# KiCad board protoboard-6x4-breakout.kicad_pcb (continued)
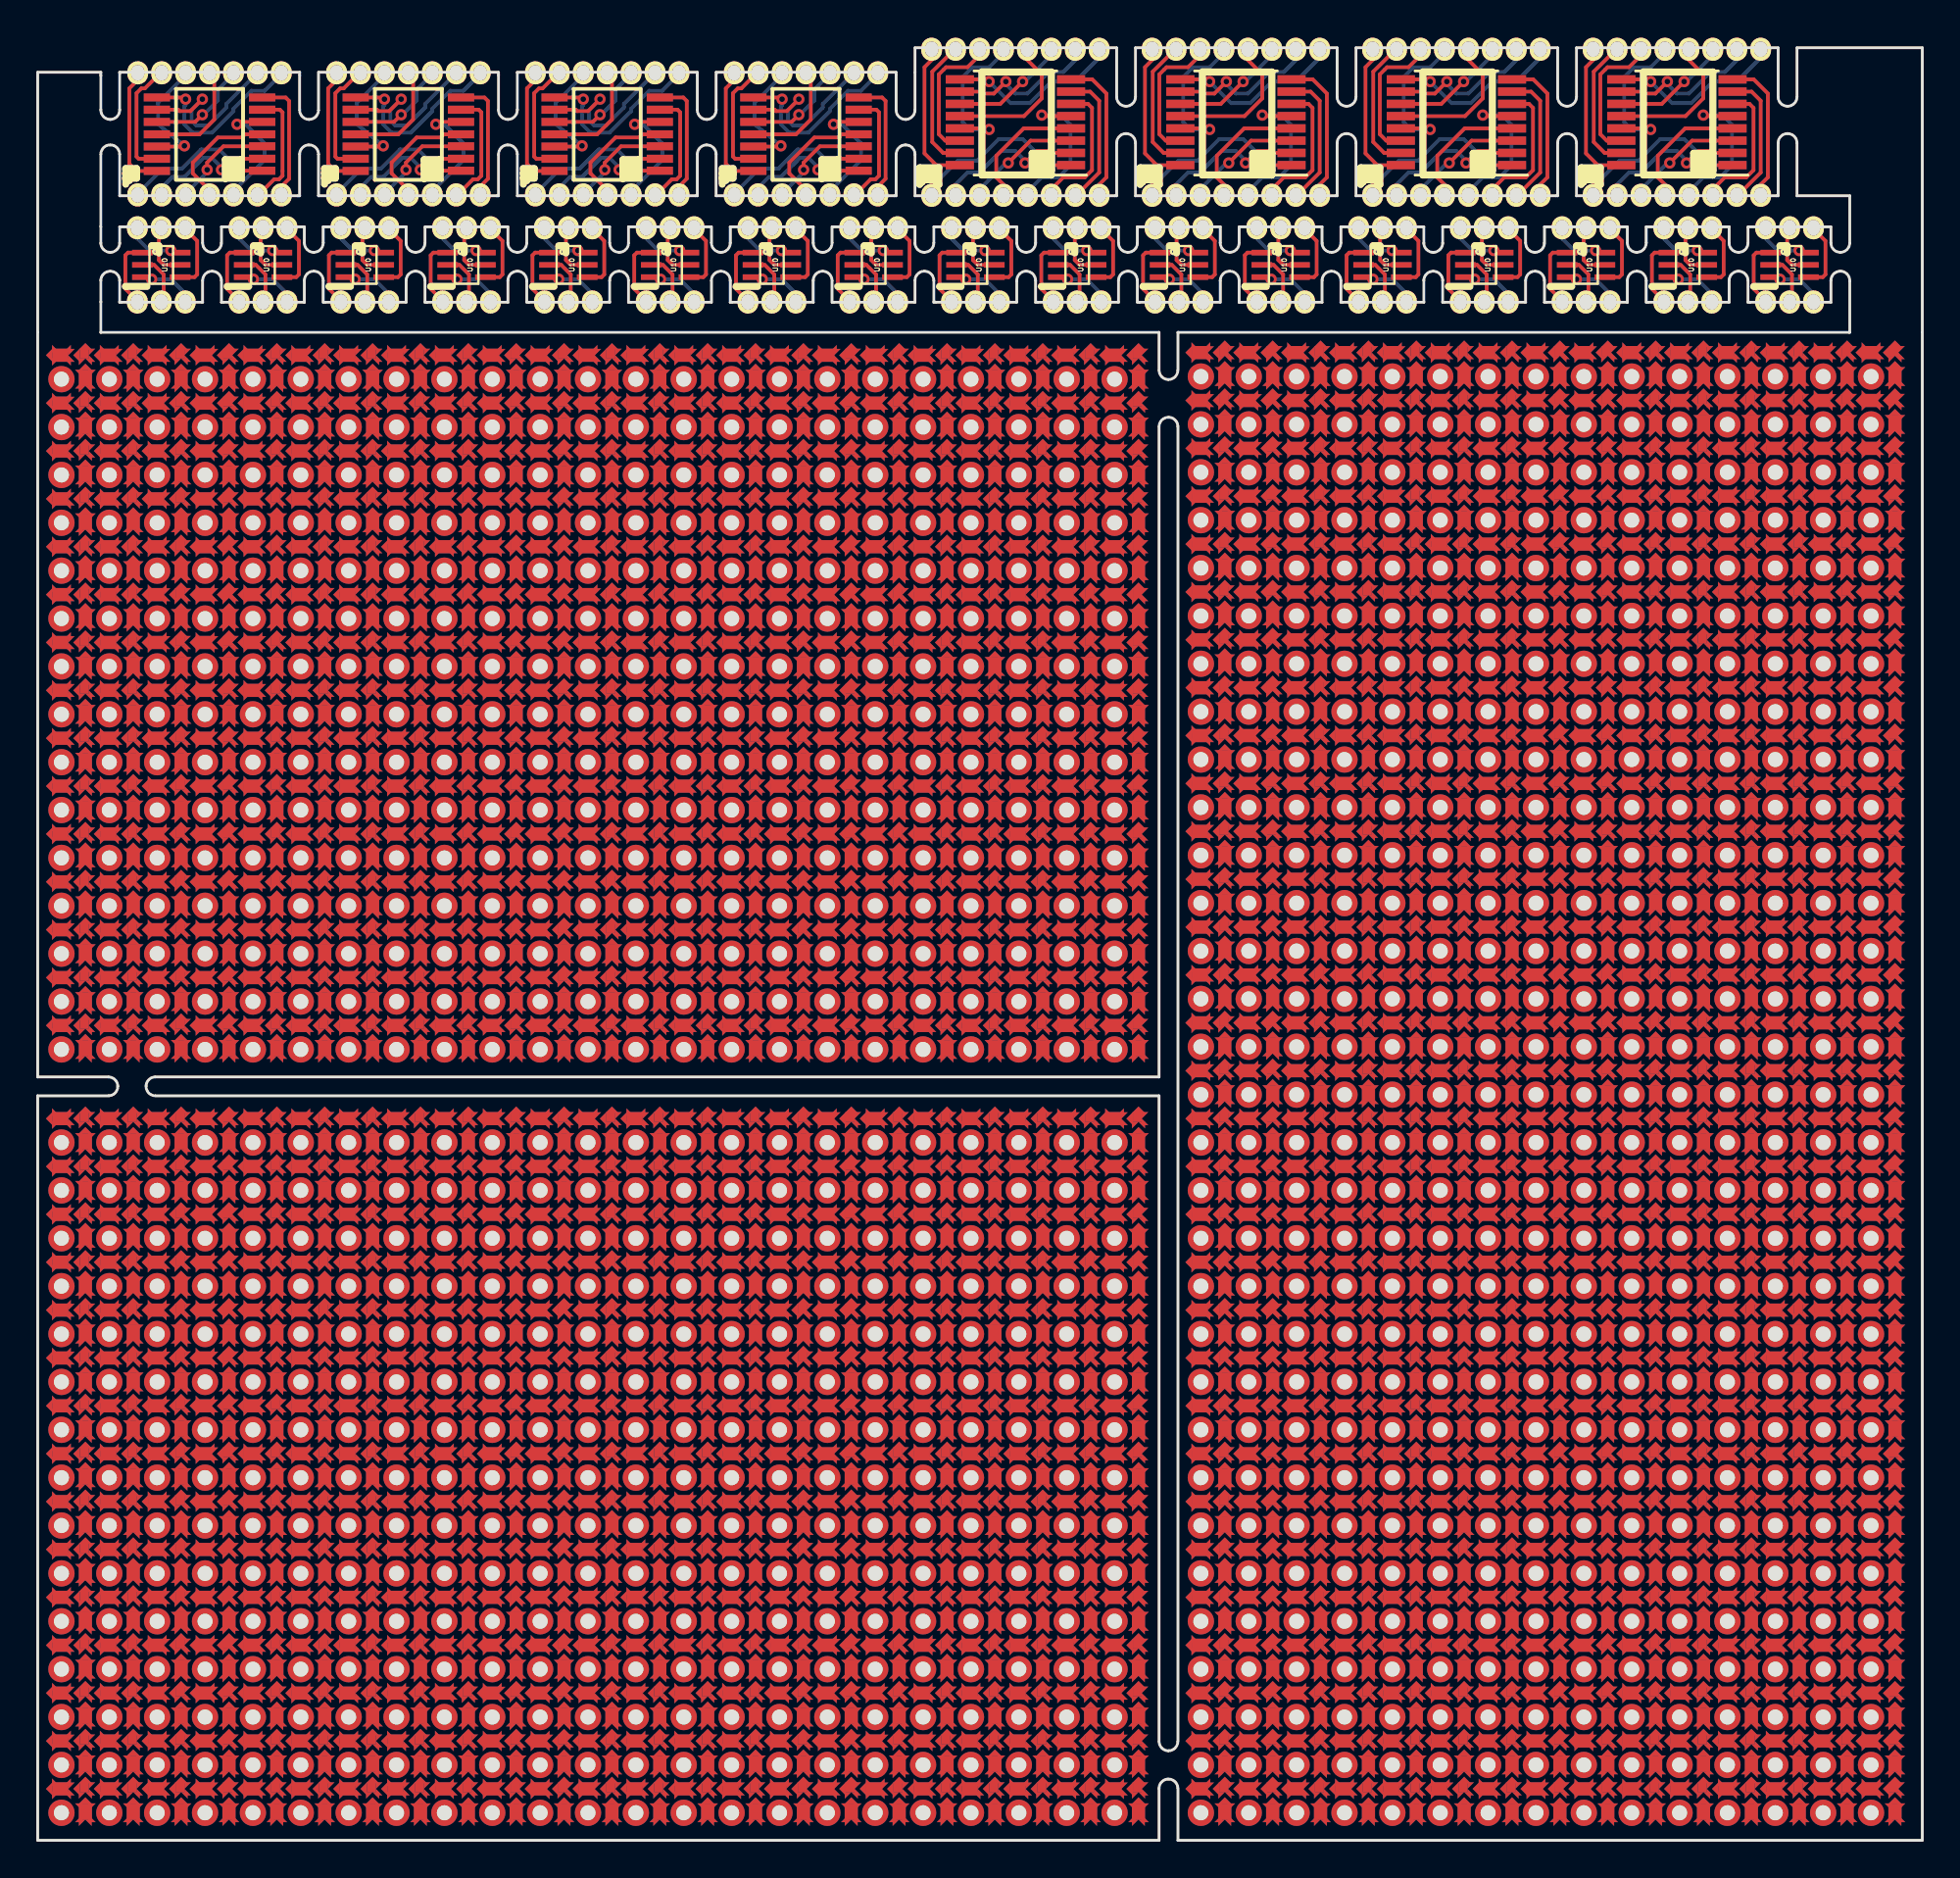
[diagram p0: board, top side]
## Placement (name value [footprint] x y rotation side) (continued)
REF**#780  -  [tht-0.8]  11.42 34.48 0 top
REF**#781  -  [tht-0.8]  8.88 34.48 0 top
REF**#782  -  [tht-0.8]  8.88 31.94 0 top
REF**#783  -  [tht-0.8]  11.42 31.94 0 top
REF**#784  -  [tht-0.8]  13.96 31.94 0 top
REF**#785  -  [tht-0.8]  29.2 31.94 0 top
REF**#786  -  [tht-0.8]  26.66 31.94 0 top
REF**#787  -  [tht-0.8]  24.12 31.94 0 top
REF**#788  -  [tht-0.8]  24.12 34.48 0 top
REF**#789  -  [tht-0.8]  26.66 34.48 0 top
REF**#790  -  [tht-0.8]  29.2 34.48 0 top
REF**#791  pad-between  [pad-between-spiked]  24.12 33.21 90 top
REF**#792  pad-between  [pad-between-spiked]  26.66 33.21 90 top
REF**#793  pad-between  [pad-between-spiked]  25.39 34.48 0 top
REF**#794  pad-between  [pad-between-spiked]  25.39 31.94 0 top
REF**#795  center-pad  [center-pad-spikes]  25.39 33.21 0 top
REF**#796  center-pad  [center-pad-spikes]  27.93 33.21 0 top
REF**#797  pad-between  [pad-between-spiked]  27.93 31.94 0 top
REF**#798  pad-between  [pad-between-spiked]  27.93 34.48 0 top
REF**#799  pad-between  [pad-between-spiked]  29.2 33.21 90 top
REF**#800  pad-between  [pad-between-spiked]  30.47 34.48 0 top
REF**#801  pad-between  [pad-between-spiked]  30.47 31.94 0 top
REF**#802  center-pad  [center-pad-spikes]  30.47 33.21 0 top
REF**#803  center-pad  [center-pad-spikes]  30.47 35.75 0 top
REF**#804  pad-between  [pad-between-spiked]  29.2 35.75 90 top
REF**#805  center-pad  [center-pad-spikes]  27.93 35.75 0 top
REF**#806  center-pad  [center-pad-spikes]  25.39 35.75 0 top
REF**#807  pad-between  [pad-between-spiked]  26.66 35.75 90 top
REF**#808  pad-between  [pad-between-spiked]  24.12 35.75 90 top
REF**#809  pad-between  [pad-between-spiked]  16.5 35.75 90 top
REF**#810  pad-between  [pad-between-spiked]  19.04 35.75 90 top
REF**#811  center-pad  [center-pad-spikes]  17.77 35.75 0 top
REF**#812  center-pad  [center-pad-spikes]  20.31 35.75 0 top
REF**#813  pad-between  [pad-between-spiked]  21.58 35.75 90 top
REF**#814  center-pad  [center-pad-spikes]  22.85 35.75 0 top
REF**#815  center-pad  [center-pad-spikes]  22.85 33.21 0 top
REF**#816  pad-between  [pad-between-spiked]  22.85 31.94 0 top
REF**#817  pad-between  [pad-between-spiked]  22.85 34.48 0 top
REF**#818  pad-between  [pad-between-spiked]  21.58 33.21 90 top
REF**#819  pad-between  [pad-between-spiked]  20.31 34.48 0 top
REF**#820  pad-between  [pad-between-spiked]  20.31 31.94 0 top
REF**#821  center-pad  [center-pad-spikes]  20.31 33.21 0 top
REF**#822  center-pad  [center-pad-spikes]  17.77 33.21 0 top
REF**#823  pad-between  [pad-between-spiked]  17.77 31.94 0 top
REF**#824  pad-between  [pad-between-spiked]  17.77 34.48 0 top
REF**#825  pad-between  [pad-between-spiked]  19.04 33.21 90 top
REF**#826  pad-between  [pad-between-spiked]  16.5 33.21 90 top
REF**#827  -  [tht-0.8]  21.58 34.48 0 top
REF**#828  -  [tht-0.8]  19.04 34.48 0 top
REF**#829  -  [tht-0.8]  16.5 34.48 0 top
REF**#830  -  [tht-0.8]  16.5 31.94 0 top
REF**#831  -  [tht-0.8]  19.04 31.94 0 top
REF**#832  -  [tht-0.8]  21.58 31.94 0 top
REF**#833  -  [tht-0.8]  52.06 31.94 0 top
REF**#834  -  [tht-0.8]  49.52 31.94 0 top
REF**#835  -  [tht-0.8]  46.98 31.94 0 top
REF**#836  -  [tht-0.8]  46.98 34.48 0 top
REF**#837  -  [tht-0.8]  49.52 34.48 0 top
REF**#838  -  [tht-0.8]  52.06 34.48 0 top
REF**#839  pad-between  [pad-between-spiked]  46.98 33.21 90 top
REF**#840  pad-between  [pad-between-spiked]  49.52 33.21 90 top
REF**#841  pad-between  [pad-between-spiked]  48.25 34.48 0 top
REF**#842  pad-between  [pad-between-spiked]  48.25 31.94 0 top
REF**#843  center-pad  [center-pad-spikes]  48.25 33.21 0 top
REF**#844  center-pad  [center-pad-spikes]  50.79 33.21 0 top
REF**#845  pad-between  [pad-between-spiked]  50.79 31.94 0 top
REF**#846  pad-between  [pad-between-spiked]  50.79 34.48 0 top
REF**#847  pad-between  [pad-between-spiked]  52.06 33.21 90 top
REF**#848  pad-between  [pad-between-spiked]  53.33 34.48 0 top
REF**#849  pad-between  [pad-between-spiked]  53.33 31.94 0 top
REF**#850  center-pad  [center-pad-spikes]  53.33 33.21 0 top
REF**#851  center-pad  [center-pad-spikes]  53.33 35.75 0 top
REF**#852  pad-between  [pad-between-spiked]  52.06 35.75 90 top
REF**#853  center-pad  [center-pad-spikes]  50.79 35.75 0 top
REF**#854  center-pad  [center-pad-spikes]  48.25 35.75 0 top
REF**#855  pad-between  [pad-between-spiked]  49.52 35.75 90 top
REF**#856  pad-between  [pad-between-spiked]  46.98 35.75 90 top
REF**#857  pad-between  [pad-between-spiked]  54.6 35.75 90 top
REF**#858  pad-between  [pad-between-spiked]  57.14 35.75 90 top
REF**#859  center-pad  [center-pad-spikes]  55.87 35.75 0 top
REF**#860  center-pad  [center-pad-spikes]  58.41 35.75 0 top
REF**#861  pad-between  [pad-between-spiked]  58.41 34.48 0 top
REF**#862  pad-between  [pad-between-spiked]  58.41 31.94 0 top
REF**#863  center-pad  [center-pad-spikes]  58.41 33.21 0 top
REF**#864  center-pad  [center-pad-spikes]  55.87 33.21 0 top
REF**#865  pad-between  [pad-between-spiked]  55.87 31.94 0 top
REF**#866  pad-between  [pad-between-spiked]  55.87 34.48 0 top
REF**#867  pad-between  [pad-between-spiked]  57.14 33.21 90 top
REF**#868  pad-between  [pad-between-spiked]  54.6 33.21 90 top
REF**#869  -  [tht-0.8]  57.14 34.48 0 top
REF**#870  -  [tht-0.8]  54.6 34.48 0 top
REF**#871  -  [tht-0.8]  54.6 31.94 0 top
REF**#872  -  [tht-0.8]  57.14 31.94 0 top
REF**#873  -  [tht-0.8]  44.44 31.94 0 top
REF**#874  -  [tht-0.8]  41.9 31.94 0 top
REF**#875  -  [tht-0.8]  39.36 31.94 0 top
REF**#876  -  [tht-0.8]  39.36 34.48 0 top
REF**#877  -  [tht-0.8]  41.9 34.48 0 top
REF**#878  -  [tht-0.8]  44.44 34.48 0 top
REF**#879  pad-between  [pad-between-spiked]  39.36 33.21 90 top
REF**#880  pad-between  [pad-between-spiked]  41.9 33.21 90 top
REF**#881  pad-between  [pad-between-spiked]  40.63 34.48 0 top
REF**#882  pad-between  [pad-between-spiked]  40.63 31.94 0 top
REF**#883  center-pad  [center-pad-spikes]  40.63 33.21 0 top
REF**#884  center-pad  [center-pad-spikes]  43.17 33.21 0 top
REF**#885  pad-between  [pad-between-spiked]  43.17 31.94 0 top
REF**#886  pad-between  [pad-between-spiked]  43.17 34.48 0 top
REF**#887  pad-between  [pad-between-spiked]  44.44 33.21 90 top
REF**#888  pad-between  [pad-between-spiked]  45.71 34.48 0 top
REF**#889  pad-between  [pad-between-spiked]  45.71 31.94 0 top
REF**#890  center-pad  [center-pad-spikes]  45.71 33.21 0 top
REF**#891  center-pad  [center-pad-spikes]  45.71 35.75 0 top
REF**#892  pad-between  [pad-between-spiked]  44.44 35.75 90 top
REF**#893  center-pad  [center-pad-spikes]  43.17 35.75 0 top
REF**#894  center-pad  [center-pad-spikes]  40.63 35.75 0 top
REF**#895  pad-between  [pad-between-spiked]  41.9 35.75 90 top
REF**#896  pad-between  [pad-between-spiked]  39.36 35.75 90 top
REF**#897  pad-between  [pad-between-spiked]  31.74 35.75 90 top
REF**#898  pad-between  [pad-between-spiked]  34.28 35.75 90 top
REF**#899  center-pad  [center-pad-spikes]  33.01 35.75 0 top
REF**#900  center-pad  [center-pad-spikes]  35.55 35.75 0 top
REF**#901  pad-between  [pad-between-spiked]  36.82 35.75 90 top
REF**#902  center-pad  [center-pad-spikes]  38.09 35.75 0 top
REF**#903  center-pad  [center-pad-spikes]  38.09 33.21 0 top
REF**#904  pad-between  [pad-between-spiked]  38.09 31.94 0 top
REF**#905  pad-between  [pad-between-spiked]  38.09 34.48 0 top
REF**#906  pad-between  [pad-between-spiked]  36.82 33.21 90 top
REF**#907  pad-between  [pad-between-spiked]  35.55 34.48 0 top
REF**#908  pad-between  [pad-between-spiked]  35.55 31.94 0 top
REF**#909  center-pad  [center-pad-spikes]  35.55 33.21 0 top
REF**#910  center-pad  [center-pad-spikes]  33.01 33.21 0 top
REF**#911  pad-between  [pad-between-spiked]  33.01 31.94 0 top
REF**#912  pad-between  [pad-between-spiked]  33.01 34.48 0 top
REF**#913  pad-between  [pad-between-spiked]  34.28 33.21 90 top
REF**#914  pad-between  [pad-between-spiked]  31.74 33.21 90 top
REF**#915  -  [tht-0.8]  36.82 34.48 0 top
REF**#916  -  [tht-0.8]  34.28 34.48 0 top
REF**#917  -  [tht-0.8]  31.74 34.48 0 top
REF**#918  -  [tht-0.8]  31.74 31.94 0 top
REF**#919  -  [tht-0.8]  34.28 31.94 0 top
REF**#920  -  [tht-0.8]  36.82 31.94 0 top
REF**#921  -  [tht-0.8]  36.82 37.02 0 top
REF**#922  -  [tht-0.8]  34.28 37.02 0 top
REF**#923  -  [tht-0.8]  31.74 37.02 0 top
REF**#924  pad-between  [pad-between-spiked]  31.74 38.29 90 top
REF**#925  pad-between  [pad-between-spiked]  34.28 38.29 90 top
REF**#926  pad-between  [pad-between-spiked]  33.01 37.02 0 top
REF**#927  center-pad  [center-pad-spikes]  33.01 38.29 0 top
REF**#928  center-pad  [center-pad-spikes]  35.55 38.29 0 top
REF**#929  pad-between  [pad-between-spiked]  35.55 37.02 0 top
REF**#930  pad-between  [pad-between-spiked]  36.82 38.29 90 top
REF**#931  pad-between  [pad-between-spiked]  38.09 37.02 0 top
REF**#932  center-pad  [center-pad-spikes]  38.09 38.29 0 top
REF**#933  center-pad  [center-pad-spikes]  45.71 38.29 0 top
REF**#934  pad-between  [pad-between-spiked]  45.71 37.02 0 top
REF**#935  pad-between  [pad-between-spiked]  44.44 38.29 90 top
REF**#936  pad-between  [pad-between-spiked]  43.17 37.02 0 top
REF**#937  center-pad  [center-pad-spikes]  43.17 38.29 0 top
REF**#938  center-pad  [center-pad-spikes]  40.63 38.29 0 top
REF**#939  pad-between  [pad-between-spiked]  40.63 37.02 0 top
REF**#940  pad-between  [pad-between-spiked]  41.9 38.29 90 top
REF**#941  pad-between  [pad-between-spiked]  39.36 38.29 90 top
REF**#942  -  [tht-0.8]  39.36 37.02 0 top
REF**#943  -  [tht-0.8]  41.9 37.02 0 top
REF**#944  -  [tht-0.8]  44.44 37.02 0 top
REF**#945  -  [tht-0.8]  57.14 37.02 0 top
REF**#946  -  [tht-0.8]  54.6 37.02 0 top
REF**#947  pad-between  [pad-between-spiked]  54.6 38.29 90 top
REF**#948  pad-between  [pad-between-spiked]  57.14 38.29 90 top
REF**#949  pad-between  [pad-between-spiked]  55.87 37.02 0 top
REF**#950  center-pad  [center-pad-spikes]  55.87 38.29 0 top
REF**#951  center-pad  [center-pad-spikes]  58.41 38.29 0 top
REF**#952  pad-between  [pad-between-spiked]  58.41 37.02 0 top
REF**#953  center-pad  [center-pad-spikes]  53.33 38.29 0 top
REF**#954  pad-between  [pad-between-spiked]  53.33 37.02 0 top
REF**#955  pad-between  [pad-between-spiked]  52.06 38.29 90 top
REF**#956  pad-between  [pad-between-spiked]  50.79 37.02 0 top
REF**#957  center-pad  [center-pad-spikes]  50.79 38.29 0 top
REF**#958  center-pad  [center-pad-spikes]  48.25 38.29 0 top
REF**#959  pad-between  [pad-between-spiked]  48.25 37.02 0 top
REF**#960  pad-between  [pad-between-spiked]  49.52 38.29 90 top
REF**#961  pad-between  [pad-between-spiked]  46.98 38.29 90 top
REF**#962  -  [tht-0.8]  46.98 37.02 0 top
REF**#963  -  [tht-0.8]  49.52 37.02 0 top
REF**#964  -  [tht-0.8]  52.06 37.02 0 top
REF**#965  -  [tht-0.8]  21.58 37.02 0 top
REF**#966  -  [tht-0.8]  19.04 37.02 0 top
REF**#967  -  [tht-0.8]  16.5 37.02 0 top
REF**#968  pad-between  [pad-between-spiked]  16.5 38.29 90 top
REF**#969  pad-between  [pad-between-spiked]  19.04 38.29 90 top
REF**#970  pad-between  [pad-between-spiked]  17.77 37.02 0 top
REF**#971  center-pad  [center-pad-spikes]  17.77 38.29 0 top
REF**#972  center-pad  [center-pad-spikes]  20.31 38.29 0 top
REF**#973  pad-between  [pad-between-spiked]  20.31 37.02 0 top
REF**#974  pad-between  [pad-between-spiked]  21.58 38.29 90 top
REF**#975  pad-between  [pad-between-spiked]  22.85 37.02 0 top
REF**#976  center-pad  [center-pad-spikes]  22.85 38.29 0 top
REF**#977  center-pad  [center-pad-spikes]  30.47 38.29 0 top
REF**#978  pad-between  [pad-between-spiked]  30.47 37.02 0 top
REF**#979  pad-between  [pad-between-spiked]  29.2 38.29 90 top
REF**#980  pad-between  [pad-between-spiked]  27.93 37.02 0 top
REF**#981  center-pad  [center-pad-spikes]  27.93 38.29 0 top
REF**#982  center-pad  [center-pad-spikes]  25.39 38.29 0 top
REF**#983  pad-between  [pad-between-spiked]  25.39 37.02 0 top
REF**#984  pad-between  [pad-between-spiked]  26.66 38.29 90 top
REF**#985  pad-between  [pad-between-spiked]  24.12 38.29 90 top
REF**#986  -  [tht-0.8]  24.12 37.02 0 top
REF**#987  -  [tht-0.8]  26.66 37.02 0 top
REF**#988  -  [tht-0.8]  29.2 37.02 0 top
REF**#989  -  [tht-0.8]  13.96 37.02 0 top
REF**#990  -  [tht-0.8]  11.42 37.02 0 top
REF**#991  -  [tht-0.8]  8.88 37.02 0 top
REF**#992  pad-between  [pad-between-spiked]  8.88 38.29 90 top
REF**#993  pad-between  [pad-between-spiked]  11.42 38.29 90 top
REF**#994  pad-between  [pad-between-spiked]  10.15 37.02 0 top
REF**#995  center-pad  [center-pad-spikes]  10.15 38.29 0 top
REF**#996  center-pad  [center-pad-spikes]  12.69 38.29 0 top
REF**#997  pad-between  [pad-between-spiked]  12.69 37.02 0 top
REF**#998  pad-between  [pad-between-spiked]  13.96 38.29 90 top
REF**#999  pad-between  [pad-between-spiked]  15.23 37.02 0 top
REF**#1000  center-pad  [center-pad-spikes]  15.23 38.29 0 top
REF**#1001  center-pad  [center-pad-spikes]  7.61 38.29 0 top
REF**#1002  pad-between  [pad-between-spiked]  7.61 37.02 0 top
REF**#1003  pad-between  [pad-between-spiked]  6.34 38.29 90 top
REF**#1004  pad-between  [pad-between-spiked]  5.07 37.02 0 top
REF**#1005  center-pad  [center-pad-spikes]  5.07 38.29 0 top
REF**#1006  center-pad  [center-pad-spikes]  2.53 38.29 0 top
REF**#1007  pad-between  [pad-between-spiked]  2.53 37.02 0 top
REF**#1008  pad-between  [pad-between-spiked]  3.8 38.29 90 top
REF**#1009  pad-between  [pad-between-spiked]  1.26 38.29 90 top
REF**#1010  -  [tht-0.8]  1.26 37.02 0 top
REF**#1011  -  [tht-0.8]  3.8 37.02 0 top
REF**#1012  -  [tht-0.8]  6.34 37.02 0 top
REF**#1013  -  [tht-0.8]  6.34 26.86 0 top
REF**#1014  -  [tht-0.8]  3.8 26.86 0 top
REF**#1015  -  [tht-0.8]  1.26 26.86 0 top
REF**#1016  -  [tht-0.8]  1.26 29.4 0 top
REF**#1017  -  [tht-0.8]  3.8 29.4 0 top
REF**#1018  -  [tht-0.8]  6.34 29.4 0 top
REF**#1019  pad-between  [pad-between-spiked]  1.26 28.13 90 top
REF**#1020  pad-between  [pad-between-spiked]  3.8 28.13 90 top
REF**#1021  pad-between  [pad-between-spiked]  2.53 29.4 0 top
REF**#1022  pad-between  [pad-between-spiked]  2.53 26.86 0 top
REF**#1023  center-pad  [center-pad-spikes]  2.53 28.13 0 top
REF**#1024  center-pad  [center-pad-spikes]  5.07 28.13 0 top
REF**#1025  pad-between  [pad-between-spiked]  5.07 26.86 0 top
REF**#1026  pad-between  [pad-between-spiked]  5.07 29.4 0 top
REF**#1027  pad-between  [pad-between-spiked]  6.34 28.13 90 top
REF**#1028  pad-between  [pad-between-spiked]  7.61 29.4 0 top
REF**#1029  pad-between  [pad-between-spiked]  7.61 26.86 0 top
REF**#1030  center-pad  [center-pad-spikes]  7.61 28.13 0 top
REF**#1031  center-pad  [center-pad-spikes]  7.61 30.67 0 top
REF**#1032  pad-between  [pad-between-spiked]  6.34 30.67 90 top
REF**#1033  center-pad  [center-pad-spikes]  5.07 30.67 0 top
REF**#1034  center-pad  [center-pad-spikes]  2.53 30.67 0 top
REF**#1035  pad-between  [pad-between-spiked]  3.8 30.67 90 top
REF**#1036  pad-between  [pad-between-spiked]  1.26 30.67 90 top
REF**#1037  pad-between  [pad-between-spiked]  8.88 30.67 90 top
REF**#1038  pad-between  [pad-between-spiked]  11.42 30.67 90 top
REF**#1039  center-pad  [center-pad-spikes]  10.15 30.67 0 top
REF**#1040  center-pad  [center-pad-spikes]  12.69 30.67 0 top
REF**#1041  pad-between  [pad-between-spiked]  13.96 30.67 90 top
REF**#1042  center-pad  [center-pad-spikes]  15.23 30.67 0 top
REF**#1043  center-pad  [center-pad-spikes]  15.23 28.13 0 top
REF**#1044  pad-between  [pad-between-spiked]  15.23 26.86 0 top
REF**#1045  pad-between  [pad-between-spiked]  15.23 29.4 0 top
REF**#1046  pad-between  [pad-between-spiked]  13.96 28.13 90 top
REF**#1047  pad-between  [pad-between-spiked]  12.69 29.4 0 top
REF**#1048  pad-between  [pad-between-spiked]  12.69 26.86 0 top
REF**#1049  center-pad  [center-pad-spikes]  12.69 28.13 0 top
REF**#1050  center-pad  [center-pad-spikes]  10.15 28.13 0 top
REF**#1051  pad-between  [pad-between-spiked]  10.15 26.86 0 top
REF**#1052  pad-between  [pad-between-spiked]  10.15 29.4 0 top
REF**#1053  pad-between  [pad-between-spiked]  11.42 28.13 90 top
REF**#1054  pad-between  [pad-between-spiked]  8.88 28.13 90 top
REF**#1055  -  [tht-0.8]  13.96 29.4 0 top
REF**#1056  -  [tht-0.8]  11.42 29.4 0 top
REF**#1057  -  [tht-0.8]  8.88 29.4 0 top
REF**#1058  -  [tht-0.8]  8.88 26.86 0 top
REF**#1059  -  [tht-0.8]  11.42 26.86 0 top
REF**#1060  -  [tht-0.8]  13.96 26.86 0 top
REF**#1061  -  [tht-0.8]  29.2 26.86 0 top
REF**#1062  -  [tht-0.8]  26.66 26.86 0 top
REF**#1063  -  [tht-0.8]  24.12 26.86 0 top
REF**#1064  -  [tht-0.8]  24.12 29.4 0 top
REF**#1065  -  [tht-0.8]  26.66 29.4 0 top
REF**#1066  -  [tht-0.8]  29.2 29.4 0 top
REF**#1067  pad-between  [pad-between-spiked]  24.12 28.13 90 top
REF**#1068  pad-between  [pad-between-spiked]  26.66 28.13 90 top
REF**#1069  pad-between  [pad-between-spiked]  25.39 29.4 0 top
REF**#1070  pad-between  [pad-between-spiked]  25.39 26.86 0 top
REF**#1071  center-pad  [center-pad-spikes]  25.39 28.13 0 top
REF**#1072  center-pad  [center-pad-spikes]  27.93 28.13 0 top
REF**#1073  pad-between  [pad-between-spiked]  27.93 26.86 0 top
REF**#1074  pad-between  [pad-between-spiked]  27.93 29.4 0 top
REF**#1075  pad-between  [pad-between-spiked]  29.2 28.13 90 top
REF**#1076  pad-between  [pad-between-spiked]  30.47 29.4 0 top
REF**#1077  pad-between  [pad-between-spiked]  30.47 26.86 0 top
REF**#1078  center-pad  [center-pad-spikes]  30.47 28.13 0 top
REF**#1079  center-pad  [center-pad-spikes]  30.47 30.67 0 top
REF**#1080  pad-between  [pad-between-spiked]  29.2 30.67 90 top
REF**#1081  center-pad  [center-pad-spikes]  27.93 30.67 0 top
REF**#1082  center-pad  [center-pad-spikes]  25.39 30.67 0 top
REF**#1083  pad-between  [pad-between-spiked]  26.66 30.67 90 top
REF**#1084  pad-between  [pad-between-spiked]  24.12 30.67 90 top
REF**#1085  pad-between  [pad-between-spiked]  16.5 30.67 90 top
REF**#1086  pad-between  [pad-between-spiked]  19.04 30.67 90 top
REF**#1087  center-pad  [center-pad-spikes]  17.77 30.67 0 top
REF**#1088  center-pad  [center-pad-spikes]  20.31 30.67 0 top
REF**#1089  pad-between  [pad-between-spiked]  21.58 30.67 90 top
REF**#1090  center-pad  [center-pad-spikes]  22.85 30.67 0 top
REF**#1091  center-pad  [center-pad-spikes]  22.85 28.13 0 top
REF**#1092  pad-between  [pad-between-spiked]  22.85 26.86 0 top
REF**#1093  pad-between  [pad-between-spiked]  22.85 29.4 0 top
REF**#1094  pad-between  [pad-between-spiked]  21.58 28.13 90 top
REF**#1095  pad-between  [pad-between-spiked]  20.31 29.4 0 top
REF**#1096  pad-between  [pad-between-spiked]  20.31 26.86 0 top
REF**#1097  center-pad  [center-pad-spikes]  20.31 28.13 0 top
REF**#1098  center-pad  [center-pad-spikes]  17.77 28.13 0 top
REF**#1099  pad-between  [pad-between-spiked]  17.77 26.86 0 top
REF**#1100  pad-between  [pad-between-spiked]  17.77 29.4 0 top
REF**#1101  pad-between  [pad-between-spiked]  19.04 28.13 90 top
REF**#1102  pad-between  [pad-between-spiked]  16.5 28.13 90 top
REF**#1103  -  [tht-0.8]  21.58 29.4 0 top
REF**#1104  -  [tht-0.8]  19.04 29.4 0 top
REF**#1105  -  [tht-0.8]  16.5 29.4 0 top
REF**#1106  -  [tht-0.8]  16.5 26.86 0 top
REF**#1107  -  [tht-0.8]  19.04 26.86 0 top
REF**#1108  -  [tht-0.8]  21.58 26.86 0 top
REF**#1109  -  [tht-0.8]  52.06 26.86 0 top
REF**#1110  -  [tht-0.8]  49.52 26.86 0 top
REF**#1111  -  [tht-0.8]  46.98 26.86 0 top
REF**#1112  -  [tht-0.8]  46.98 29.4 0 top
REF**#1113  -  [tht-0.8]  49.52 29.4 0 top
REF**#1114  -  [tht-0.8]  52.06 29.4 0 top
REF**#1115  pad-between  [pad-between-spiked]  46.98 28.13 90 top
REF**#1116  pad-between  [pad-between-spiked]  49.52 28.13 90 top
REF**#1117  pad-between  [pad-between-spiked]  48.25 29.4 0 top
REF**#1118  pad-between  [pad-between-spiked]  48.25 26.86 0 top
REF**#1119  center-pad  [center-pad-spikes]  48.25 28.13 0 top
REF**#1120  center-pad  [center-pad-spikes]  50.79 28.13 0 top
REF**#1121  pad-between  [pad-between-spiked]  50.79 26.86 0 top
REF**#1122  pad-between  [pad-between-spiked]  50.79 29.4 0 top
REF**#1123  pad-between  [pad-between-spiked]  52.06 28.13 90 top
REF**#1124  pad-between  [pad-between-spiked]  53.33 29.4 0 top
REF**#1125  pad-between  [pad-between-spiked]  53.33 26.86 0 top
REF**#1126  center-pad  [center-pad-spikes]  53.33 28.13 0 top
REF**#1127  center-pad  [center-pad-spikes]  53.33 30.67 0 top
REF**#1128  pad-between  [pad-between-spiked]  52.06 30.67 90 top
REF**#1129  center-pad  [center-pad-spikes]  50.79 30.67 0 top
REF**#1130  center-pad  [center-pad-spikes]  48.25 30.67 0 top
REF**#1131  pad-between  [pad-between-spiked]  49.52 30.67 90 top
REF**#1132  pad-between  [pad-between-spiked]  46.98 30.67 90 top
REF**#1133  pad-between  [pad-between-spiked]  54.6 30.67 90 top
REF**#1134  pad-between  [pad-between-spiked]  57.14 30.67 90 top
REF**#1135  center-pad  [center-pad-spikes]  55.87 30.67 0 top
REF**#1136  center-pad  [center-pad-spikes]  58.41 30.67 0 top
REF**#1137  pad-between  [pad-between-spiked]  58.41 29.4 0 top
REF**#1138  pad-between  [pad-between-spiked]  58.41 26.86 0 top
REF**#1139  center-pad  [center-pad-spikes]  58.41 28.13 0 top
REF**#1140  center-pad  [center-pad-spikes]  55.87 28.13 0 top
REF**#1141  pad-between  [pad-between-spiked]  55.87 26.86 0 top
REF**#1142  pad-between  [pad-between-spiked]  55.87 29.4 0 top
REF**#1143  pad-between  [pad-between-spiked]  57.14 28.13 90 top
REF**#1144  pad-between  [pad-between-spiked]  54.6 28.13 90 top
REF**#1145  -  [tht-0.8]  57.14 29.4 0 top
REF**#1146  -  [tht-0.8]  54.6 29.4 0 top
REF**#1147  -  [tht-0.8]  54.6 26.86 0 top
REF**#1148  -  [tht-0.8]  57.14 26.86 0 top
REF**#1149  -  [tht-0.8]  44.44 26.86 0 top
REF**#1150  -  [tht-0.8]  41.9 26.86 0 top
REF**#1151  -  [tht-0.8]  39.36 26.86 0 top
REF**#1152  -  [tht-0.8]  39.36 29.4 0 top
REF**#1153  -  [tht-0.8]  41.9 29.4 0 top
REF**#1154  -  [tht-0.8]  44.44 29.4 0 top
REF**#1155  pad-between  [pad-between-spiked]  39.36 28.13 90 top
REF**#1156  pad-between  [pad-between-spiked]  41.9 28.13 90 top
REF**#1157  pad-between  [pad-between-spiked]  40.63 29.4 0 top
REF**#1158  pad-between  [pad-between-spiked]  40.63 26.86 0 top
REF**#1159  center-pad  [center-pad-spikes]  40.63 28.13 0 top
REF**#1160  center-pad  [center-pad-spikes]  43.17 28.13 0 top
REF**#1161  pad-between  [pad-between-spiked]  43.17 26.86 0 top
REF**#1162  pad-between  [pad-between-spiked]  43.17 29.4 0 top
REF**#1163  pad-between  [pad-between-spiked]  44.44 28.13 90 top
REF**#1164  pad-between  [pad-between-spiked]  45.71 29.4 0 top
REF**#1165  pad-between  [pad-between-spiked]  45.71 26.86 0 top
REF**#1166  center-pad  [center-pad-spikes]  45.71 28.13 0 top
REF**#1167  center-pad  [center-pad-spikes]  45.71 30.67 0 top
REF**#1168  pad-between  [pad-between-spiked]  44.44 30.67 90 top
REF**#1169  center-pad  [center-pad-spikes]  43.17 30.67 0 top
REF**#1170  center-pad  [center-pad-spikes]  40.63 30.67 0 top
REF**#1171  pad-between  [pad-between-spiked]  41.9 30.67 90 top
REF**#1172  pad-between  [pad-between-spiked]  39.36 30.67 90 top
REF**#1173  pad-between  [pad-between-spiked]  31.74 30.67 90 top
REF**#1174  pad-between  [pad-between-spiked]  34.28 30.67 90 top
REF**#1175  center-pad  [center-pad-spikes]  33.01 30.67 0 top
REF**#1176  center-pad  [center-pad-spikes]  35.55 30.67 0 top
REF**#1177  pad-between  [pad-between-spiked]  36.82 30.67 90 top
REF**#1178  center-pad  [center-pad-spikes]  38.09 30.67 0 top
REF**#1179  center-pad  [center-pad-spikes]  38.09 28.13 0 top
REF**#1180  pad-between  [pad-between-spiked]  38.09 26.86 0 top
REF**#1181  pad-between  [pad-between-spiked]  38.09 29.4 0 top
REF**#1182  pad-between  [pad-between-spiked]  36.82 28.13 90 top
REF**#1183  pad-between  [pad-between-spiked]  35.55 29.4 0 top
REF**#1184  pad-between  [pad-between-spiked]  35.55 26.86 0 top
REF**#1185  center-pad  [center-pad-spikes]  35.55 28.13 0 top
REF**#1186  center-pad  [center-pad-spikes]  33.01 28.13 0 top
REF**#1187  pad-between  [pad-between-spiked]  33.01 26.86 0 top
REF**#1188  pad-between  [pad-between-spiked]  33.01 29.4 0 top
REF**#1189  pad-between  [pad-between-spiked]  34.28 28.13 90 top
REF**#1190  pad-between  [pad-between-spiked]  31.74 28.13 90 top
REF**#1191  -  [tht-0.8]  36.82 29.4 0 top
REF**#1192  -  [tht-0.8]  34.28 29.4 0 top
REF**#1193  -  [tht-0.8]  31.74 29.4 0 top
REF**#1194  -  [tht-0.8]  31.74 26.86 0 top
REF**#1195  -  [tht-0.8]  34.28 26.86 0 top
REF**#1196  -  [tht-0.8]  36.82 26.86 0 top
REF**#1197  -  [tht-0.8]  36.82 21.78 0 top
REF**#1198  -  [tht-0.8]  34.28 21.78 0 top
REF**#1199  -  [tht-0.8]  31.74 21.78 0 top
REF**#1200  -  [tht-0.8]  31.74 24.32 0 top
REF**#1201  -  [tht-0.8]  34.28 24.32 0 top
REF**#1202  -  [tht-0.8]  36.82 24.32 0 top
REF**#1203  pad-between  [pad-between-spiked]  31.74 23.05 90 top
REF**#1204  pad-between  [pad-between-spiked]  34.28 23.05 90 top
REF**#1205  pad-between  [pad-between-spiked]  33.01 24.32 0 top
REF**#1206  pad-between  [pad-between-spiked]  33.01 21.78 0 top